# KiCad board panel.kicad_pcb (continued)
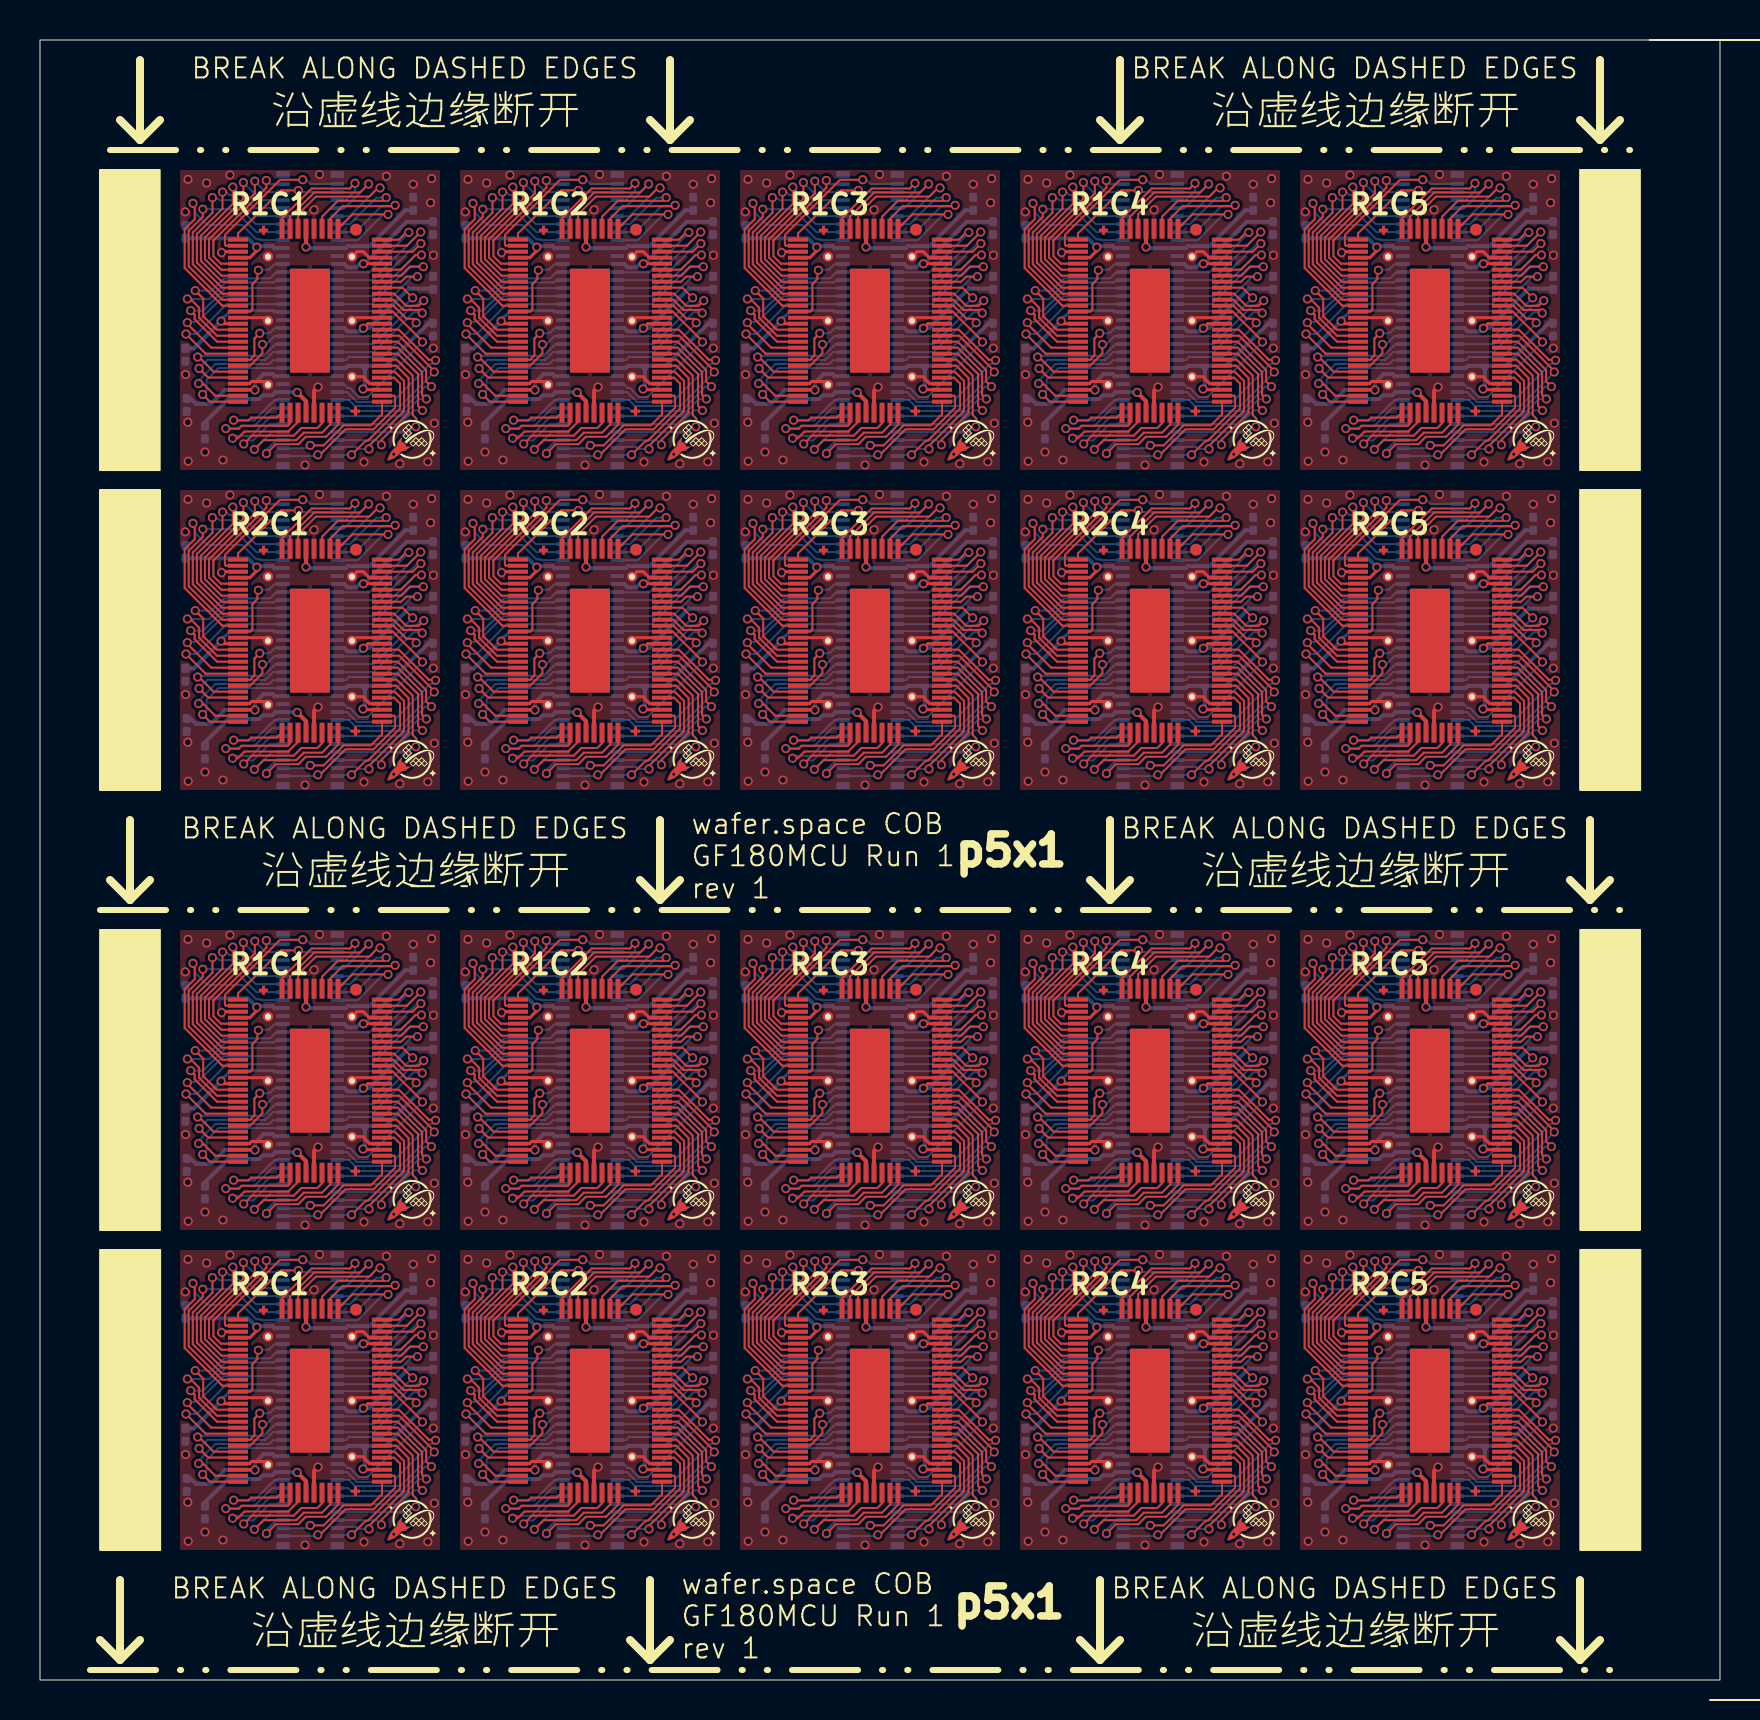
[diagram p0: board, top side]
## Routing (per net, layer and track width the routed paths; a pad name or vN(x,y) marks a point on that pad's centre or on a via; arc(x,y) is an arc through that point) (continued)
/clk: length 117.3
  Top w0.1: v1(31.4,19.28) 29.62,19.28 U114#2.1 ; v1(31.4,73.28) 29.62,73.28 U104#2.1 ; U106#2.1 43.62,73.28 v1(45.4,73.28) ; U104.1 29.62,35.28 v1(31.4,35.28) ; U116#2.1 43.62,19.28 v1(45.4,19.28) ; U108#2.1 57.62,73.28 v1(59.4,73.28) ; v1(17.4,57.28) 15.62,57.28 U112.1 ; U116.1 43.62,57.28 v1(45.4,57.28) ; v1(59.4,57.28) 57.62,57.28 U118.1 ; U102.1 15.62,35.28 v1(17.4,35.28) ; v1(17.4,19.28) 15.62,19.28 U112#2.1 ; v1(45.4,35.28) 43.62,35.28 U106.1 ; v1(73.4,57.28) 71.62,57.28 U120#2.1 ; v1(59.4,35.28) 57.62,35.28 U108.1 ; v1(17.4,73.28) 15.62,73.28 U102#2.1 ; U114.1 29.62,57.28 v1(31.4,57.28) ; v1(59.4,19.28) 57.62,19.28 U118#2.1 ; v1(73.4,19.28) 71.62,19.28 U120.1 ; U110.1 71.62,35.28 v1(73.4,35.28) ; v1(73.4,73.28) 71.62,73.28 U110#2.1
  Bottom w0.1: v1(45.4,35.28) 45.16,35.28 43.87,34 U105.8 ; U111.8 15.87,56 17.16,57.28 v1(17.4,57.28) ; v1(73.4,19.28) 73.16,19.28 71.88,18 U119.8 ; U119#2.8 71.88,56 73.16,57.28 v1(73.4,57.28) ; v1(17.4,19.28) 17.16,19.28 15.87,18 U111#2.8 ; U109.8 71.88,72 73.16,73.28 v1(73.4,73.28) ; v1(59.4,73.28) 59.16,73.28 57.87,72 U107.8 ; v1(59.4,35.28) 59.16,35.28 57.87,34 U107#2.8 ; U109#2.8 71.88,34 73.16,35.28 v1(73.4,35.28) ; v1(45.4,73.28) 45.16,73.28 43.87,72 U105#2.8 ; U113.8 29.87,56 31.16,57.28 v1(31.4,57.28) ; v1(59.4,19.28) 59.16,19.28 57.87,18 U117.8 ; v1(31.4,35.28) 31.16,35.28 29.87,34 U103.8 ; U103#2.8 29.87,72 31.16,73.28 v1(31.4,73.28) ; U113#2.8 29.87,18 31.16,19.28 v1(31.4,19.28) ; v1(17.4,35.28) 17.16,35.28 15.87,34 U101#2.8 ; v1(59.4,57.28) 59.16,57.28 57.87,56 U117#2.8 ; U115#2.8 43.87,56 45.16,57.28 v1(45.4,57.28) ; U101.8 15.87,72 17.16,73.28 v1(17.4,73.28) ; U115.8 43.87,18 45.16,19.28 v1(45.4,19.28)
/in_0: length 144
  Top w0.1: v1(59.31,58.12) 59.15,57.96 56.9,57.96 56.1,57.17 U118.3 ; U106.3 42.1,35.17 42.9,35.96 45.15,35.96 v1(45.31,36.12) ; U116#2.3 42.1,19.17 42.9,19.96 45.15,19.96 v1(45.31,20.12) ; v1(17.31,74.12) 17.15,73.96 14.9,73.96 14.1,73.16 U102#2.3 ; U110#2.3 70.1,73.16 70.9,73.96 73.15,73.96 v1(73.31,74.12) ; v1(17.31,58.12) 17.15,57.96 14.9,57.96 14.1,57.17 U112.3 ; U104#2.3 28.1,73.16 28.9,73.96 31.15,73.96 v1(31.31,74.12) ; v1(45.31,74.12) 45.15,73.96 42.9,73.96 42.1,73.16 U106#2.3 ; U114#2.3 28.1,19.17 28.9,19.96 31.15,19.96 v1(31.31,20.12) ; v1(73.31,20.12) 73.15,19.96 70.9,19.96 70.1,19.17 U120.3 ; U112#2.3 14.1,19.17 14.9,19.96 17.15,19.96 v1(17.31,20.12) ; v1(45.31,58.12) 45.15,57.96 42.9,57.96 42.1,57.17 U116.3 ; v1(31.31,36.12) 31.15,35.96 28.9,35.96 28.1,35.17 U104.3 ; v1(31.31,58.12) 31.15,57.96 28.9,57.96 28.1,57.17 U114.3 ; v1(17.31,36.12) 17.15,35.96 14.9,35.96 14.1,35.17 U102.3 ; v1(59.31,36.12) 59.15,35.96 56.9,35.96 56.1,35.17 U108.3 ; v1(59.31,74.12) 59.15,73.96 56.9,73.96 56.1,73.16 U108#2.3 ; v1(73.31,36.12) 73.15,35.96 70.9,35.96 70.1,35.17 U110.3 ; v1(59.31,20.12) 59.15,19.96 56.9,19.96 56.1,19.17 U118#2.3 ; U120#2.3 70.1,57.17 70.9,57.96 73.15,57.96 v1(73.31,58.12)
  Bottom w0.1: v1(31.31,36.12) 30.82,36.12 29.49,34.8 U103.6 ; v1(31.31,58.12) 30.82,58.12 29.49,56.8 U113.6 ; U115.6 43.49,18.8 44.82,20.12 v1(45.31,20.12) ; U113#2.6 29.49,18.8 30.82,20.12 v1(31.31,20.12) ; U107.6 57.49,72.8 58.82,74.12 v1(59.31,74.12) ; U117#2.6 57.49,56.8 58.82,58.12 v1(59.31,58.12) ; U107#2.6 57.49,34.8 58.82,36.12 v1(59.31,36.12) ; v1(45.31,58.12) 44.82,58.12 43.49,56.8 U115#2.6 ; v1(73.31,20.12) 72.82,20.12 71.5,18.8 U119.6 ; v1(73.31,58.12) 72.82,58.12 71.5,56.8 U119#2.6 ; v1(45.31,36.12) 44.82,36.12 43.49,34.8 U105.6 ; U105#2.6 43.49,72.8 44.82,74.12 v1(45.31,74.12) ; U103#2.6 29.49,72.8 30.82,74.12 v1(31.31,74.12) ; U111#2.6 15.49,18.8 16.82,20.12 v1(17.31,20.12) ; U117.6 57.49,18.8 58.82,20.12 v1(59.31,20.12) ; U101#2.6 15.49,34.8 16.82,36.12 v1(17.31,36.12) ; U101.6 15.49,72.8 16.82,74.12 v1(17.31,74.12) ; U109#2.6 71.5,34.8 72.82,36.12 v1(73.31,36.12) ; U111.6 15.49,56.8 16.82,58.12 v1(17.31,58.12) ; U109.6 71.5,72.8 72.82,74.12 v1(73.31,74.12)
/in_1: length 161.7
  Top w0.1: v1(45,74.61) 44.9,74.61 44.46,74.17 41.79,74.17 40.9,73.28 U106#2.6 ; U118#2.6 54.9,19.28 55.79,20.17 58.46,20.17 58.9,20.61 v1(59,20.61) ; U102#2.6 12.9,73.28 13.79,74.17 16.46,74.17 16.9,74.61 v1(17,74.61) ; U120.6 68.9,19.28 69.79,20.17 72.46,20.17 72.9,20.61 v1(73,20.61) ; U114.6 26.9,57.28 27.79,58.17 30.46,58.17 30.9,58.61 v1(31,58.61) ; v1(17,58.61) 16.9,58.61 16.46,58.17 13.79,58.17 12.9,57.28 U112.6 ; v1(45,20.61) 44.9,20.61 44.46,20.17 41.79,20.17 40.9,19.28 U116#2.6 ; U110#2.6 68.9,73.28 69.79,74.17 72.46,74.17 72.9,74.61 v1(73,74.61) ; U102.6 12.9,35.28 13.79,36.17 16.46,36.17 16.9,36.61 v1(17,36.61) ; U108.6 54.9,35.28 55.79,36.17 58.46,36.17 58.9,36.61 v1(59,36.61) ; v1(73,36.61) 72.9,36.61 72.46,36.17 69.79,36.17 68.9,35.28 U110.6 ; v1(45,36.61) 44.9,36.61 44.46,36.17 41.79,36.17 40.9,35.28 U106.6 ; U108#2.6 54.9,73.28 55.79,74.17 58.46,74.17 58.9,74.61 v1(59,74.61) ; U104#2.6 26.9,73.28 27.79,74.17 30.46,74.17 30.9,74.61 v1(31,74.61) ; U120#2.6 68.9,57.28 69.79,58.17 72.46,58.17 72.9,58.61 v1(73,58.61) ; U118.6 54.9,57.28 55.79,58.17 58.46,58.17 58.9,58.61 v1(59,58.61) ; v1(45,58.61) 44.9,58.61 44.46,58.17 41.79,58.17 40.9,57.28 U116.6 ; v1(31,36.61) 30.9,36.61 30.46,36.17 27.79,36.17 26.9,35.28 U104.6 ; v1(17,20.61) 16.9,20.61 16.46,20.17 13.79,20.17 12.9,19.28 U112#2.6 ; v1(31,20.61) 30.9,20.61 30.46,20.17 27.79,20.17 26.9,19.28 U114#2.6
  Bottom w0.1: U111#2.5 15.49,19.2 16.9,20.61 v1(17,20.61) ; v1(45,20.61) 44.9,20.61 43.49,19.2 U115.5 ; v1(45,74.61) 44.9,74.61 43.49,73.19 U105#2.5 ; U103.5 29.49,35.2 30.9,36.61 v1(31,36.61) ; v1(73,58.61) 72.9,58.61 71.49,57.2 U119#2.5 ; v1(59,58.61) 58.9,58.61 57.49,57.2 U117#2.5 ; v1(31,58.61) 30.9,58.61 29.49,57.2 U113.5 ; U115#2.5 43.49,57.2 44.9,58.61 v1(45,58.61) ; U111.5 15.49,57.2 16.9,58.61 v1(17,58.61) ; U113#2.5 29.49,19.2 30.9,20.61 v1(31,20.61) ; U117.5 57.49,19.2 58.9,20.61 v1(59,20.61) ; v1(17,74.61) 16.9,74.61 15.49,73.19 U101.5 ; U101#2.5 15.49,35.2 16.9,36.61 v1(17,36.61) ; v1(59,36.61) 58.9,36.61 57.49,35.2 U107#2.5 ; v1(73,36.61) 72.9,36.61 71.49,35.2 U109#2.5 ; U105.5 43.49,35.2 44.9,36.61 v1(45,36.61) ; v1(59,74.61) 58.9,74.61 57.49,73.19 U107.5 ; v1(73,74.61) 72.9,74.61 71.49,73.19 U109.5 ; U119.5 71.49,19.2 72.9,20.61 v1(73,20.61) ; v1(31,74.61) 30.9,74.61 29.49,73.19 U103#2.5
/in_2: length 145.4
  Top w0.1: v1(16.43,74.8) 16,74.37 13.71,74.37 13.7,74.36 13.7,74.36 12.5,73.16 U102#2.7 ; v1(30.43,74.8) 30,74.37 27.71,74.37 27.7,74.36 27.7,74.36 26.5,73.16 U104#2.7 ; U118.7 54.5,57.17 55.7,58.36 55.7,58.36 55.71,58.37 58,58.37 v1(58.43,58.8) ; U114.7 26.5,57.17 27.7,58.36 27.7,58.36 27.71,58.37 30,58.37 v1(30.43,58.8) ; U106.7 40.5,35.17 41.7,36.36 41.7,36.36 41.71,36.37 44,36.37 v1(44.43,36.8) ; U118#2.7 54.5,19.17 55.7,20.36 55.7,20.36 55.71,20.37 58,20.37 v1(58.43,20.8) ; U108#2.7 54.5,73.16 55.7,74.36 55.7,74.36 55.71,74.37 58,74.37 v1(58.43,74.8) ; U106#2.7 40.5,73.16 41.7,74.36 41.7,74.36 41.71,74.37 44,74.37 v1(44.43,74.8) ; v1(30.43,36.8) 30,36.37 27.71,36.37 27.7,36.36 27.7,36.36 26.5,35.17 U104.7 ; v1(44.43,20.8) 44,20.37 41.71,20.37 41.7,20.36 41.7,20.36 40.5,19.17 U116#2.7 ; v1(58.43,36.8) 58,36.37 55.71,36.37 55.7,36.36 55.7,36.36 54.5,35.17 U108.7 ; U112.7 12.5,57.17 13.7,58.36 13.7,58.36 13.71,58.37 16,58.37 v1(16.43,58.8) ; U110.7 68.5,35.17 69.69,36.36 69.7,36.36 69.71,36.37 72,36.37 v1(72.43,36.8) ; U116.7 40.5,57.17 41.7,58.36 41.7,58.36 41.71,58.37 44,58.37 v1(44.43,58.8) ; v1(16.43,36.8) 16,36.37 13.71,36.37 13.7,36.36 13.7,36.36 12.5,35.17 U102.7 ; v1(30.43,20.8) 30,20.37 27.71,20.37 27.7,20.36 27.7,20.36 26.5,19.17 U114#2.7 ; U110#2.7 68.5,73.16 69.69,74.36 69.7,74.36 69.71,74.37 72,74.37 v1(72.43,74.8) ; U112#2.7 12.5,19.17 13.7,20.36 13.7,20.36 13.71,20.37 16,20.37 v1(16.43,20.8) ; v1(72.43,58.8) 72,58.37 69.71,58.37 69.7,58.36 69.69,58.36 68.5,57.17 U120#2.7 ; U120.7 68.5,19.17 69.69,20.36 69.7,20.36 69.71,20.37 72,20.37 v1(72.43,20.8)
  Bottom w0.1: v1(58.43,74.8) 57.23,73.59 U107.4 ; v1(30.43,74.8) 29.23,73.59 U103#2.4 ; v1(16.43,20.8) 15.23,19.59 U111#2.4 ; v1(72.43,36.8) 71.22,35.59 U109#2.4 ; v1(44.43,20.8) 43.23,19.59 U115.4 ; v1(72.43,20.8) 71.22,19.59 U119.4 ; v1(16.43,74.8) 15.23,73.59 U101.4 ; U117.4 57.23,19.59 v1(58.43,20.8) ; U119#2.4 71.22,57.59 v1(72.43,58.8) ; v1(58.43,36.8) 57.23,35.59 U107#2.4 ; U113.4 29.23,57.59 v1(30.43,58.8) ; U105.4 43.23,35.59 v1(44.43,36.8) ; U113#2.4 29.23,19.59 v1(30.43,20.8) ; v1(44.43,74.8) 43.23,73.59 U105#2.4 ; U103.4 29.23,35.59 v1(30.43,36.8) ; v1(16.43,36.8) 15.23,35.59 U101#2.4 ; v1(16.43,58.8) 15.23,57.59 U111.4 ; v1(58.43,58.8) 57.23,57.59 U117#2.4 ; v1(72.43,74.8) 71.22,73.59 U109.4 ; v1(44.43,58.8) 43.23,57.59 U115#2.4
/in_3: length 127.3
  Top w0.1: v1(15.75,36.84) 15.49,36.58 13.59,36.58 12.23,35.22 12.22,35.22 12.22,35.21 12.1,35.09 U102.8 ; v1(29.75,20.84) 29.49,20.58 27.59,20.58 26.23,19.22 26.22,19.22 26.22,19.21 26.1,19.09 U114#2.8 ; U102#2.8 12.1,73.09 12.22,73.21 12.22,73.22 12.23,73.22 13.59,74.58 15.49,74.58 v1(15.75,74.84) ; U120#2.8 68.1,57.09 68.22,57.21 68.22,57.22 68.23,57.22 69.59,58.58 71.49,58.58 v1(71.75,58.84) ; U106.8 40.1,35.09 40.22,35.21 40.22,35.22 40.23,35.22 41.59,36.58 43.49,36.58 v1(43.75,36.84) ; v1(57.75,74.84) 57.49,74.58 55.59,74.58 54.23,73.22 54.22,73.22 54.22,73.21 54.1,73.09 U108#2.8 ; v1(15.75,20.84) 15.49,20.58 13.59,20.58 12.23,19.22 12.22,19.22 12.22,19.21 12.1,19.09 U112#2.8 ; v1(29.75,74.84) 29.49,74.58 27.59,74.58 26.23,73.22 26.22,73.22 26.22,73.21 26.1,73.09 U104#2.8 ; v1(43.75,74.84) 43.49,74.58 41.59,74.58 40.23,73.22 40.22,73.22 40.22,73.21 40.1,73.09 U106#2.8 ; U116.8 40.1,57.09 40.22,57.21 40.22,57.22 40.23,57.22 41.59,58.58 43.49,58.58 v1(43.75,58.84) ; v1(15.75,58.84) 15.49,58.58 13.59,58.58 12.23,57.22 12.22,57.22 12.22,57.21 12.1,57.09 U112.8 ; v1(71.75,74.84) 71.49,74.58 69.59,74.58 68.23,73.22 68.22,73.22 68.22,73.21 68.1,73.09 U110#2.8 ; v1(43.75,20.84) 43.49,20.58 41.59,20.58 40.23,19.22 40.22,19.22 40.22,19.21 40.1,19.09 U116#2.8 ; v1(71.75,20.84) 71.49,20.58 69.59,20.58 68.23,19.22 68.22,19.22 68.22,19.21 68.1,19.09 U120.8 ; U118.8 54.1,57.09 54.22,57.21 54.22,57.22 54.23,57.22 55.59,58.58 57.49,58.58 v1(57.75,58.84) ; U118#2.8 54.1,19.09 54.22,19.21 54.22,19.22 54.23,19.22 55.59,20.58 57.49,20.58 v1(57.75,20.84) ; U114.8 26.1,57.09 26.22,57.21 26.22,57.22 26.23,57.22 27.59,58.58 29.49,58.58 v1(29.75,58.84) ; v1(71.75,36.84) 71.49,36.58 69.59,36.58 68.23,35.22 68.22,35.22 68.22,35.21 68.1,35.09 U110.8 ; U108.8 54.1,35.09 54.22,35.21 54.22,35.22 54.23,35.22 55.59,36.58 57.49,36.58 v1(57.75,36.84) ; v1(29.75,36.84) 29.49,36.58 27.59,36.58 26.23,35.22 26.22,35.22 26.22,35.21 26.1,35.09 U104.8
  Bottom w0.1: v1(29.75,58.84) 29.75,58.45 29.29,58 U113.3 ; v1(57.75,20.84) 57.75,20.45 57.29,20 U117.3 ; v1(15.75,36.84) 15.75,36.45 15.29,36 U101#2.3 ; v1(15.75,20.84) 15.75,20.45 15.29,20 U111#2.3 ; U111.3 15.29,58 15.75,58.45 v1(15.75,58.84) ; v1(71.75,20.84) 71.75,20.45 71.3,20 U119.3 ; v1(71.75,36.84) 71.75,36.45 71.3,36 U109#2.3 ; U109.3 71.3,74 71.75,74.45 v1(71.75,74.84) ; v1(57.75,74.84) 57.75,74.45 57.29,74 U107.3 ; v1(57.75,36.84) 57.75,36.45 57.29,36 U107#2.3 ; U103.3 29.29,36 29.75,36.45 v1(29.75,36.84) ; U103#2.3 29.29,74 29.75,74.45 v1(29.75,74.84) ; v1(71.75,58.84) 71.75,58.45 71.3,58 U119#2.3 ; v1(43.75,58.84) 43.75,58.45 43.29,58 U115#2.3 ; U105.3 43.29,36 43.75,36.45 v1(43.75,36.84) ; v1(29.75,20.84) 29.75,20.45 29.29,20 U113#2.3 ; U115.3 43.29,20 43.75,20.45 v1(43.75,20.84) ; v1(43.75,74.84) 43.75,74.45 43.29,74 U105#2.3 ; U117#2.3 57.29,58 57.75,58.45 v1(57.75,58.84) ; v1(15.75,74.84) 15.75,74.45 15.29,74 U101.3
/rst_n: length 149.4
  Top w0.1: U106#2.2 42.5,73.06 43.13,73.69 45.71,73.69 v1(45.75,73.73) ; U116#2.2 42.5,19.06 43.13,19.69 45.71,19.69 v1(45.75,19.73) ; v1(59.75,73.73) 59.71,73.69 57.13,73.69 56.5,73.06 U108#2.2 ; v1(31.75,73.73) 31.71,73.69 29.13,73.69 28.5,73.06 U104#2.2 ; v1(31.75,35.73) 31.71,35.69 29.13,35.69 28.5,35.06 U104.2 ; v1(73.75,35.73) 73.71,35.69 71.13,35.69 70.5,35.06 U110.2 ; v1(45.75,35.73) 45.71,35.69 43.13,35.69 42.5,35.06 U106.2 ; v1(17.75,57.73) 17.71,57.69 15.13,57.69 14.5,57.06 U112.2 ; v1(17.75,35.73) 17.71,35.69 15.13,35.69 14.5,35.06 U102.2 ; v1(73.75,19.73) 73.71,19.69 71.13,19.69 70.5,19.06 U120.2 ; U102#2.2 14.5,73.06 15.13,73.69 17.71,73.69 v1(17.75,73.73) ; v1(31.75,57.73) 31.71,57.69 29.13,57.69 28.5,57.06 U114.2 ; v1(59.75,35.73) 59.71,35.69 57.13,35.69 56.5,35.06 U108.2 ; U118#2.2 56.5,19.06 57.13,19.69 59.71,19.69 v1(59.75,19.73) ; U110#2.2 70.5,73.06 71.13,73.69 73.71,73.69 v1(73.75,73.73) ; U120#2.2 70.5,57.06 71.13,57.69 73.71,57.69 v1(73.75,57.73) ; U114#2.2 28.5,19.06 29.13,19.69 31.71,19.69 v1(31.75,19.73) ; v1(59.75,57.73) 59.71,57.69 57.13,57.69 56.5,57.06 U118.2 ; U116.2 42.5,57.06 43.13,57.69 45.71,57.69 v1(45.75,57.73) ; v1(17.75,19.73) 17.71,19.69 15.13,19.69 14.5,19.06 U112#2.2
  Bottom w0.1: 14.87,18.39 15.77,18.39 17.07,19.69 17.71,19.69 v1(17.75,19.73) ; U109.7 71.78,72.4 73.07,73.69 73.71,73.69 v1(73.75,73.73) ; 56.87,34.39 57.77,34.39 59.07,35.69 59.71,35.69 v1(59.75,35.73) ; 70.87,34.39 71.78,34.39 73.07,35.69 73.71,35.69 v1(73.75,35.73) ; v1(17.75,35.73) 17.71,35.69 17.07,35.69 15.77,34.39 14.87,34.39 ; v1(59.75,73.73) 59.71,73.69 59.07,73.69 57.77,72.4 U107.7 ; v1(73.75,19.73) 73.71,19.69 73.07,19.69 71.78,18.39 70.87,18.39 ; v1(31.75,73.73) 31.71,73.69 31.07,73.69 29.77,72.4 U103#2.7 ; 42.87,56.39 43.77,56.39 45.07,57.69 45.71,57.69 v1(45.75,57.73) ; 42.87,18.39 43.77,18.39 45.07,19.69 45.71,19.69 v1(45.75,19.73) ; 14.87,56.39 15.77,56.39 17.07,57.69 17.71,57.69 v1(17.75,57.73) ; v1(17.75,73.73) 17.71,73.69 17.07,73.69 15.77,72.4 U101.7 ; 56.87,56.39 57.77,56.39 59.07,57.69 59.71,57.69 v1(59.75,57.73) ; v1(31.75,57.73) 31.71,57.69 31.07,57.69 29.77,56.39 28.87,56.39 ; 42.87,34.39 43.77,34.39 45.07,35.69 45.71,35.69 v1(45.75,35.73) ; 28.87,18.39 29.77,18.39 31.07,19.69 31.71,19.69 v1(31.75,19.73) ; U105#2.7 43.77,72.4 45.07,73.69 45.71,73.69 v1(45.75,73.73) ; v1(73.75,57.73) 73.71,57.69 73.07,57.69 71.78,56.39 70.87,56.39 ; v1(59.75,19.73) 59.71,19.69 59.07,19.69 57.77,18.39 56.87,18.39 ; v1(31.75,35.73) 31.71,35.69 31.07,35.69 29.77,34.39 28.87,34.39
PWR_AUX_0: length 132.5
  Top w0.15: v1(51.05,13.95) 51.18,13.81 U118#2.23 ; 65.9,67.81 65.19,67.81 v1(65.06,67.94) ; v1(51.05,67.94) 51.18,67.81 51.9,67.81 ; U114#2.23 23.18,13.81 v1(23.05,13.95) ; v1(9.05,67.94) 9.18,67.81 9.9,67.81 ; v1(23.05,51.95) 23.18,51.81 U114.23 ; v1(37.05,67.94) 37.18,67.81 37.9,67.81 ; v1(9.05,29.95) 9.18,29.81 U102.23 ; U118.23 51.18,51.81 v1(51.05,51.95) ; v1(65.06,51.95) 65.19,51.81 U120#2.23 ; v1(23.05,29.95) 23.18,29.81 U104.23 ; U116#2.23 37.18,13.81 v1(37.05,13.95) ; v1(51.05,29.95) 51.18,29.81 U108.23 ; v1(23.05,67.94) 23.18,67.81 23.9,67.81 ; U110.23 65.19,29.81 v1(65.06,29.95) ; v1(37.05,51.95) 37.18,51.81 U116.23 ; v1(9.05,13.95) 9.18,13.81 U112#2.23 ; v1(65.06,13.95) 65.19,13.81 U120.23 ; U106.23 37.18,29.81 v1(37.05,29.95) ; U112.23 9.18,51.81 v1(9.05,51.95)
  Bottom w0.15: 26.15,14.39 26.15,14.4 25.73,14.4 25.66,14.47 23.53,14.47 23.19,14.13 23.19,14.08 v1(23.05,13.95) ; v1(51.05,29.95) 51.19,30.08 51.19,30.13 51.53,30.47 53.66,30.47 53.73,30.4 54.15,30.4 54.15,30.39 ; U107.54 54.15,68.4 53.73,68.4 53.66,68.47 51.53,68.47 51.19,68.13 51.19,68.08 v1(51.05,67.94) ; 68.16,14.39 68.15,14.4 67.73,14.4 67.66,14.47 65.53,14.47 65.19,14.13 65.19,14.08 v1(65.06,13.95) ; 54.15,14.39 54.15,14.4 53.73,14.4 53.66,14.47 51.53,14.47 51.19,14.13 51.19,14.08 v1(51.05,13.95) ; v1(9.05,13.95) 9.19,14.08 9.19,14.13 9.53,14.47 11.66,14.47 11.73,14.4 12.15,14.4 12.15,14.39 ; v1(65.06,51.95) 65.19,52.08 65.19,52.13 65.53,52.47 67.66,52.47 67.73,52.4 68.15,52.4 68.16,52.39 ; v1(23.05,51.95) 23.19,52.08 23.19,52.13 23.53,52.47 25.66,52.47 25.73,52.4 26.15,52.4 26.15,52.39 ; U105#2.54 40.15,68.4 39.73,68.4 39.66,68.47 37.53,68.47 37.19,68.13 37.19,68.08 v1(37.05,67.94) ; 40.15,52.39 40.15,52.4 39.73,52.4 39.66,52.47 37.53,52.47 37.19,52.13 37.19,52.08 v1(37.05,51.95) ; v1(9.05,29.95) 9.19,30.08 9.19,30.13 9.53,30.47 11.66,30.47 11.73,30.4 12.15,30.4 12.15,30.39 ; U109.54 68.15,68.4 67.73,68.4 67.66,68.47 65.53,68.47 65.19,68.13 65.19,68.08 v1(65.06,67.94) ; v1(51.05,51.95) 51.19,52.08 51.19,52.13 51.53,52.47 53.66,52.47 53.73,52.4 54.15,52.4 54.15,52.39 ; 26.15,30.39 26.15,30.4 25.73,30.4 25.66,30.47 23.53,30.47 23.19,30.13 23.19,30.08 v1(23.05,29.95) ; U103#2.54 26.15,68.4 25.73,68.4 25.66,68.47 23.53,68.47 23.19,68.13 23.19,68.08 v1(23.05,67.94) ; 40.15,14.39 40.15,14.4 39.73,14.4 39.66,14.47 37.53,14.47 37.19,14.13 37.19,14.08 v1(37.05,13.95) ; v1(9.05,51.95) 9.19,52.08 9.19,52.13 9.53,52.47 11.66,52.47 11.73,52.4 12.15,52.4 12.15,52.39 ; 68.16,30.39 68.15,30.4 67.73,30.4 67.66,30.47 65.53,30.47 65.19,30.13 65.19,30.08 v1(65.06,29.95) ; v1(9.05,67.94) 9.19,68.08 9.19,68.13 9.53,68.47 11.66,68.47 11.73,68.4 12.15,68.4 U101.54 ; 40.15,30.39 40.15,30.4 39.73,30.4 39.66,30.47 37.53,30.47 37.19,30.13 37.19,30.08 v1(37.05,29.95)
  Bottom w0.2: v1(65.06,67.94) 63.69,66.58 C137#2.1 ; v1(51.05,13.95) 49.69,12.58 C169.1 ; v1(51.05,29.95) 49.69,28.58 C129.1 ; v1(9.05,51.95) 7.69,50.58 C145#2.1 ; v1(9.05,67.94) 7.69,66.58 C105#2.1 ; C153#2.1 21.69,12.58 v1(23.05,13.95) ; C169#2.1 49.69,50.58 v1(51.05,51.95) ; C113.1 21.69,66.58 v1(23.05,67.94) ; C105.1 7.69,28.58 v1(9.05,29.95) ; C161.1 35.69,12.58 v1(37.05,13.95) ; C129#2.1 49.69,66.58 v1(51.05,67.94) ; v1(9.05,13.95) 7.69,12.58 C145.1 ; v1(37.05,51.95) 35.69,50.58 C161#2.1 ; C177#2.1 63.69,12.58 v1(65.06,13.95) ; v1(23.05,51.95) 21.69,50.58 C153.1 ; C121.1 35.69,28.58 v1(37.05,29.95) ; C121#2.1 35.69,66.58 v1(37.05,67.94) ; C137.1 63.69,28.58 v1(65.06,29.95) ; C177.1 63.69,50.58 v1(65.06,51.95) ; v1(23.05,29.95) 21.69,28.58 C113#2.1
PWR_AUX_1: length 135.6
  Top w0.15: v1(16.17,51.59) 16.4,51.81 U112.58 ; U120#2.58 72.4,51.81 v1(72.17,51.59) ; v1(72.17,67.59) 72.4,67.81 73.1,67.81 ; v1(58.17,13.59) 58.4,13.81 U118#2.58 ; v1(16.17,13.59) 16.4,13.81 U112#2.58 ; v1(30.17,67.59) 30.4,67.81 31.1,67.81 ; v1(16.17,29.59) 16.4,29.81 U102.58 ; U118.58 58.4,51.81 v1(58.17,51.59) ; v1(30.17,13.59) 30.4,13.81 U114#2.58 ; v1(72.17,13.59) 72.4,13.81 U120.58 ; U116.58 44.4,51.81 v1(44.17,51.59) ; 17.1,67.81 16.4,67.81 v1(16.17,67.59) ; U108.58 58.4,29.81 v1(58.17,29.59) ; v1(72.17,29.59) 72.4,29.81 U110.58 ; v1(30.17,51.59) 30.4,51.81 U114.58 ; v1(44.17,13.59) 44.4,13.81 U116#2.58 ; U106.58 44.4,29.81 v1(44.17,29.59) ; v1(30.17,29.59) 30.4,29.81 U104.58 ; 45.1,67.81 44.4,67.81 v1(44.17,67.59) ; 59.1,67.81 58.4,67.81 v1(58.17,67.59)
  Bottom w0.2: C106#2.1 19.63,69.57 18.43,69.57 16.45,67.59 v1(16.17,67.59) 16.01,67.44 15.38,67.44 15.22,67.59 U101.19 ; U111#2.19 15.22,13.59 15.38,13.44 16.01,13.44 v1(16.17,13.59) 16.45,13.59 18.43,15.57 19.63,15.57 C146.1 ; C178#2.1 75.63,15.57 74.43,15.57 72.45,13.59 v1(72.17,13.59) 72.02,13.44 71.38,13.44 71.22,13.59 U119.19 ; C170#2.1 61.63,53.57 60.43,53.57 58.45,51.59 v1(58.17,51.59) 58.01,51.44 57.38,51.44 57.22,51.59 U117#2.19 ; C154#2.1 33.63,15.57 32.43,15.57 30.45,13.59 v1(30.17,13.59) 30.01,13.44 29.38,13.44 29.22,13.59 U113#2.19 ; U115#2.19 43.22,51.59 43.38,51.44 44.01,51.44 v1(44.17,51.59) 44.45,51.59 46.43,53.57 47.63,53.57 C162#2.1 ; U115.19 43.22,13.59 43.38,13.44 44.01,13.44 v1(44.17,13.59) 44.45,13.59 46.43,15.57 47.63,15.57 C162.1 ; C130.1 61.63,69.57 60.43,69.57 58.45,67.59 v1(58.17,67.59) 58.01,67.44 57.38,67.44 57.22,67.59 U107.19 ; U109#2.19 71.22,29.59 71.38,29.44 72.02,29.44 v1(72.17,29.59) 72.45,29.59 74.43,31.57 75.63,31.57 C138.1 ; C130#2.1 61.63,31.57 60.43,31.57 58.45,29.59 v1(58.17,29.59) 58.01,29.44 57.38,29.44 57.22,29.59 U107#2.19 ; C122#2.1 47.63,69.57 46.43,69.57 44.45,67.59 v1(44.17,67.59) 44.01,67.44 43.38,67.44 43.22,67.59 U105#2.19 ; C178.1 75.63,53.57 74.43,53.57 72.45,51.59 v1(72.17,51.59) 72.02,51.44 71.38,51.44 71.22,51.59 U119#2.19 ; U113.19 29.22,51.59 29.38,51.44 30.01,51.44 v1(30.17,51.59) 30.45,51.59 32.43,53.57 33.63,53.57 C154.1 ; U103.19 29.22,29.59 29.38,29.44 30.01,29.44 v1(30.17,29.59) 30.45,29.59 32.43,31.57 33.63,31.57 C114.1 ; U103#2.19 29.22,67.59 29.38,67.44 30.01,67.44 v1(30.17,67.59) 30.45,67.59 32.43,69.57 33.63,69.57 C114#2.1 ; U109.19 71.22,67.59 71.38,67.44 72.02,67.44 v1(72.17,67.59) 72.45,67.59 74.43,69.57 75.63,69.57 C138#2.1 ; U111.19 15.22,51.59 15.38,51.44 16.01,51.44 v1(16.17,51.59) 16.45,51.59 18.43,53.57 19.63,53.57 C146#2.1 ; C106.1 19.63,31.57 18.43,31.57 16.45,29.59 v1(16.17,29.59) 16.01,29.44 15.38,29.44 15.22,29.59 U101#2.19 ; C122.1 47.63,31.57 46.43,31.57 44.45,29.59 v1(44.17,29.59) 44.01,29.44 43.38,29.44 43.22,29.59 U105.19 ; C170.1 61.63,15.57 60.43,15.57 58.45,13.59 v1(58.17,13.59) 58.01,13.44 57.38,13.44 57.22,13.59 U117.19

## Copper pours and planes (outline as drawn; the poured copper is in the pictures)
GND on Top, Bottom: 48.5,38 62.5,38 62.5,22 48.5,22
GND on Top, Bottom: 48.5,76 62.5,76 62.5,60 48.5,60
GND on Top, Bottom: 20.5,38 34.5,38 34.5,22 20.5,22
GND on Top, Bottom: 20.5,76 34.5,76 34.5,60 20.5,60
GND on Top, Bottom: 48.5,22 62.5,22 62.5,6 48.5,6
GND on Top, Bottom: 34.5,38 48.5,38 48.5,22 34.5,22
GND on Top, Bottom: 62.5,60 76.5,60 76.5,44 62.5,44
GND on Top, Bottom: 20.5,22 34.5,22 34.5,6 20.5,6
GND on Top, Bottom: 34.5,22 48.5,22 48.5,6 34.5,6
GND on Top, Bottom: 6.5,60 20.5,60 20.5,44 6.5,44
GND on Top, Bottom: 62.5,22 76.5,22 76.5,6 62.5,6
GND on Top, Bottom: 62.5,38 76.5,38 76.5,22 62.5,22
GND on Top, Bottom: 20.5,60 34.5,60 34.5,44 20.5,44
GND on Top, Bottom: 6.5,22 20.5,22 20.5,6 6.5,6
GND on Top, Bottom: 6.5,38 20.5,38 20.5,22 6.5,22
GND on Top, Bottom: 6.5,76 20.5,76 20.5,60 6.5,60
GND on Top, Bottom: 62.5,76 76.5,76 76.5,60 62.5,60
GND on Top, Bottom: 34.5,60 48.5,60 48.5,44 34.5,44
GND on Top, Bottom: 48.5,60 62.5,60 62.5,44 48.5,44
GND on Top, Bottom: 34.5,76 48.5,76 48.5,60 34.5,60

## Text on the board
B.Silkscreen: 70 PIN MEZZANINE / 72 PIN PADRING / VERSION: 0p5x1 | wafer.space / GF180MCU Run 1
User.Eco2: Allocated Space / For Passives
F.Silkscreen: BREAK ALONG DASHED EDGES | wafer.space COB / GF180MCU Run 1 / rev 1 | R1C1 | R2C1 | R1C2 | R2C2 | R1C3 | R2C3 | R1C4 | R2C4 | R1C5 | R2C5 | 沿虚线边缘断开 | p5x1
User.1: V-CUT
